# Allegro board BeagleBoard-X15_RevA2.brd (continued)
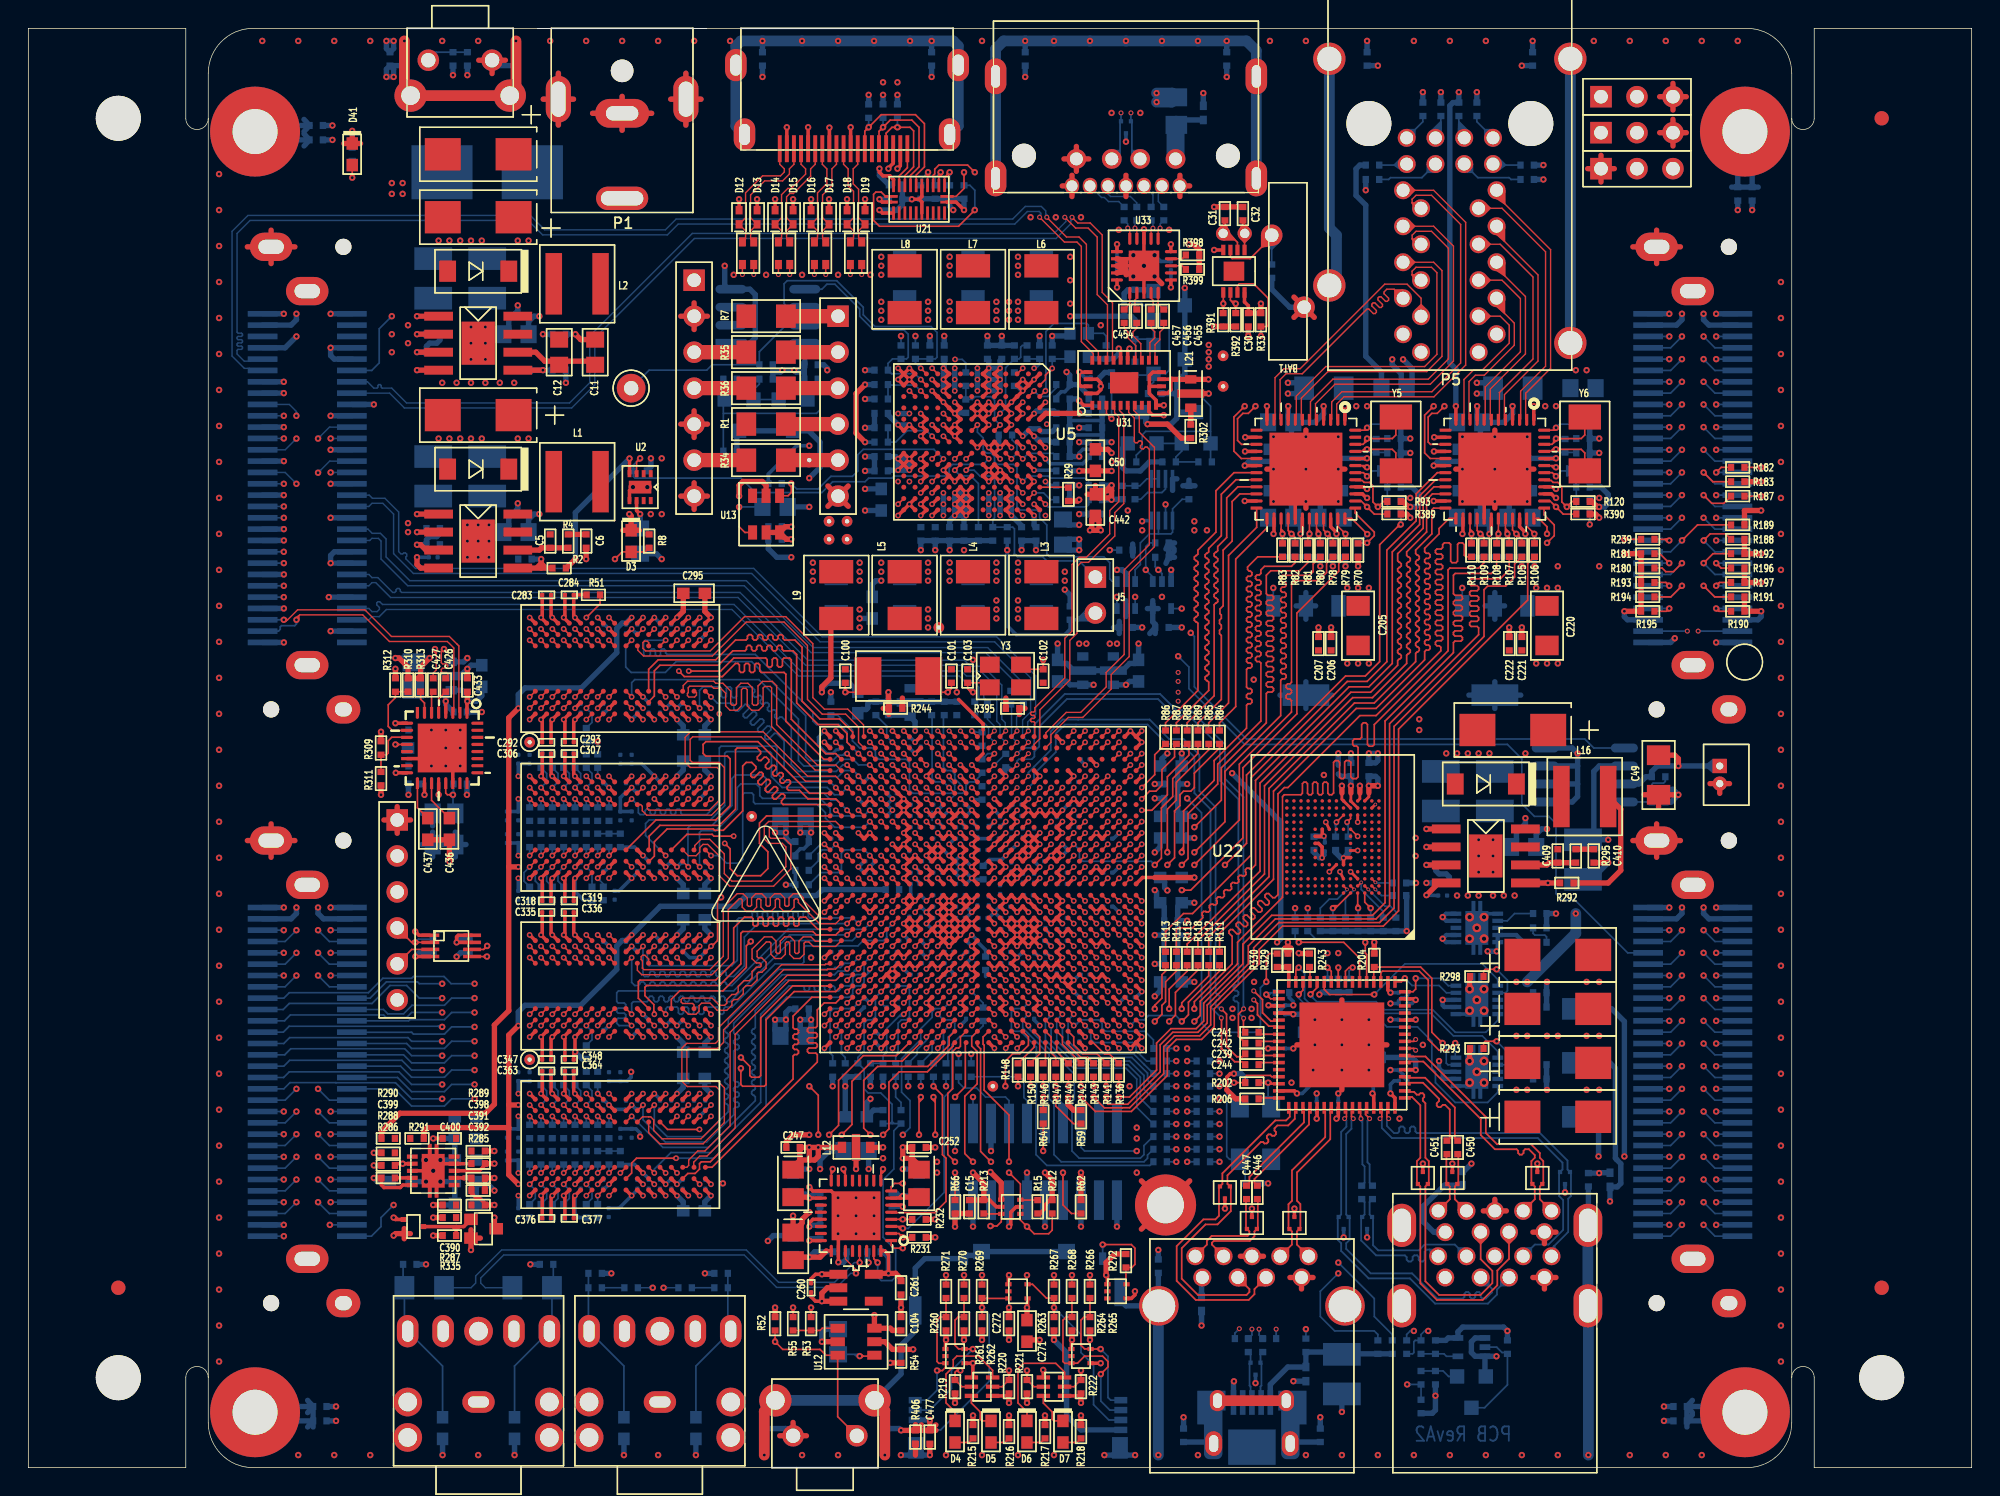
[diagram p0: board, top side]
## Placement (name value [footprint] x y rotation side) (continued)
C240  18pF,50V  [402]  86.36 20.07 0 bottom
C241  0.1uf,16V  [402]  86.36 30.73 0 top
C242  0.1uf,16V  [402]  86.36 29.97 0 top
C243  0.1uF/201  [201]  69.79 46.81 0 bottom
C244  0.1uf,16V  [402]  86.36 28.45 0 top
C245  .001uf,50V  [402]  80.65 48.26 0 bottom
C246  2.2uF,6.3V  [402]  88.52 33.53 0 bottom
C247  0.1uf,16V  [402]  53.98 22.61 180 top
C248  0.1uf,16V  [402]  57.28 15.24 0 bottom
C249  10uF,6.3V  [603]  53.98 15.62 90 bottom
C250  47uF,6.3V,1206  [1206]  35.56 12.7 0 bottom
C251  47uF,6.3V,1206  [1206]  27.94 12.7 180 bottom
C252  0.1uf,16V  [402]  62.87 22.61 0 top
C253  0.1uf,16V  [402]  60.96 18.92 270 bottom
C254  10uF,6.3V  [603]  62.87 20.07 90 bottom
C255  2.2uF,6.3V  [402]  48.89 12.7 0 bottom
C256  2.2uF,6.3V  [402]  40.01 12.7 180 bottom
C257  10uF,6.3V  [603]  53.98 20.07 90 bottom
C258  0.1uf,16V  [402]  55.88 18.92 270 bottom
C259  0.1uf,16V  [402]  55.88 16.64 90 bottom
C260  1uF,4V,0201  [201]  55.25 12.7 270 top
C261  4.7uF,6.3V  [402]  61.59 12.7 270 top
C262  0.1uf,16V  [402]  59.69 15.24 180 bottom
C263  0.1uf,16V  [402]  31.12 36.83 90 bottom
C264  0.1uf,16V  [402]  61.21 90.55 0 bottom
C265  4.7uF,6.3V  [402]  61.21 89.53 0 bottom
C266  0.22uF/201  [201]  91.5 43.81 270 bottom
C267  2.2uF,6.3V  [402]  90.74 44.07 90 bottom
C268  4.7uF,6.3V  [402]  93.34 49.28 90 bottom
C269  0.22uF/201  [201]  92.46 49.28 90 bottom
C270  0.1uf,16V  [402]  96.77 41.27 180 bottom
C271  10uF,6.3V  [603]  70.48 9.65 90 top
C272  0.1uf,16V  [402]  69.22 10.16 270 top
C273  0.1uF/201  [201]  64.19 45.21 180 bottom
C274  0.1uf,16V  [402]  60.99 40.81 180 bottom
C275  0.22uF/201  [201]  38.98 53.61 270 bottom
C276  0.22uF/201  [201]  38.98 42.41 270 bottom
C277  0.22uF/201  [201]  42.18 59.21 270 bottom
C278  0.22uF/201  [201]  42.18 48.01 270 bottom
C279  0.22uF/201  [201]  38.98 20 270 bottom
C280  0.22uF/201  [201]  42.18 25.6 270 bottom
C281  0.22uF/201  [201]  42.18 36.8 270 bottom
C282  0.22uF/201  [201]  38.98 31.2 270 bottom
C283  0.22uF/201  [201]  36.58 61.61 0 top
C284  0.22uF/201  [201]  38.18 61.61 0 top
C285  0.22uF/201  [201]  40.58 59.21 90 bottom
C286  0.22uF/201  [201]  42.98 59.21 90 bottom
C287  0.22uF/201  [201]  44.58 59.21 270 bottom
C288  0.22uF/201  [201]  45.38 59.21 90 bottom
C289  0.22uF/201  [201]  46.18 59.21 270 bottom
C290  0.22uF/201  [201]  46.98 59.21 270 bottom
C291  0.22uF/201  [201]  47.78 59.21 270 bottom
C292  0.22uF/201  [201]  36.58 51.21 0 top
C293  0.22uF/201  [201]  38.18 51.21 0 top
C294  0.22uF/201  [201]  40.58 53.61 270 bottom
C295  10uF,6.3V  [603]  46.99 61.72 180 top
C296  0.22uF/201  [201]  34.58 27.6 270 bottom
C297  0.22uF/201  [201]  35.38 27.6 270 bottom
C298  0.22uF/201  [201]  40.98 27.6 270 bottom
C299  0.22uF/201  [201]  41.78 27.6 270 bottom
C300  0.22uF/201  [201]  42.98 53.61 90 bottom
C301  0.22uF/201  [201]  43.78 53.61 270 bottom
C302  0.22uF/201  [201]  44.58 53.61 90 bottom
C303  0.22uF/201  [201]  45.38 53.61 90 bottom
C304  0.22uF/201  [201]  46.18 53.61 90 bottom
C305  0.22uF/201  [201]  47.78 53.61 270 bottom
C306  0.22uF/201  [201]  36.58 50.41 0 top
C307  0.22uF/201  [201]  38.18 50.41 0 top
C308  0.22uF/201  [201]  40.58 48.01 90 bottom
C309  0.22uF/201  [201]  42.98 48.01 90 bottom
C310  0.22uF/201  [201]  44.58 48.01 270 bottom
C311  0.22uF/201  [201]  45.38 48.01 90 bottom
C312  10uF,6.3V  [603]  46.98 51.73 0 bottom
C313  0.22uF/201  [201]  33.78 23.6 90 bottom
C314  0.22uF/201  [201]  34.58 23.6 90 bottom
C315  0.22uF/201  [201]  46.18 48.01 270 bottom
C316  0.22uF/201  [201]  46.98 48.01 90 bottom
C317  0.22uF/201  [201]  47.78 48.01 90 bottom
C318  0.22uF/201  [201]  36.58 40.01 180 top
C319  0.22uF/201  [201]  38.18 40.01 0 top
C320  0.22uF/201  [201]  40.58 42.41 270 bottom
C321  0.22uF/201  [201]  42.98 42.41 90 bottom
C322  0.22uF/201  [201]  43.78 42.41 270 bottom
C323  0.22uF/201  [201]  44.58 42.41 90 bottom
C324  0.22uF/201  [201]  45.38 42.41 90 bottom
C325  0.22uF/201  [201]  46.18 42.41 90 bottom
C326  0.22uF/201  [201]  47.78 42.41 270 bottom
C327  10uF,6.3V  [603]  46.98 49.88 180 bottom
C328  0.22uF/201  [201]  41.78 23.6 90 bottom
C329  0.22uF/201  [201]  42.58 23.6 90 bottom
C330  0.22uF/201  [201]  33.78 22 270 bottom
C331  0.22uF/201  [201]  34.58 22 270 bottom
C332  0.22uF/201  [201]  34.58 18 90 bottom
C333  0.22uF/201  [201]  40.96 18 90 bottom
C334  0.1uf,16V  [402]  41.78 21.88 90 bottom
C335  0.22uF/201  [201]  36.58 39.2 0 top
C336  0.22uF/201  [201]  38.18 39.2 0 top
C337  0.22uF/201  [201]  40.58 36.8 90 bottom
C338  0.22uF/201  [201]  42.98 36.8 90 bottom
C339  0.22uF/201  [201]  44.58 36.8 270 bottom
C340  0.22uF/201  [201]  45.38 36.8 90 bottom
C341  10uF,6.3V  [603]  46.98 38.68 180 bottom
C342  0.22uF/201  [201]  34.58 50.01 270 bottom
C343  0.22uF/201  [201]  35.38 50.01 270 bottom
C344  0.22uF/201  [201]  46.18 36.8 270 bottom
C345  0.22uF/201  [201]  46.98 36.8 90 bottom
C346  0.22uF/201  [201]  47.78 36.8 270 bottom
C347  0.22uF/201  [201]  36.58 28.8 0 top
C348  0.22uF/201  [201]  38.18 28.8 0 top
C349  0.22uF/201  [201]  40.58 31.2 270 bottom
C350  10uF,6.3V  [603]  46.98 27.48 180 bottom
C351  0.22uF/201  [201]  41.78 50.01 270 bottom
C352  0.22uF/201  [201]  42.58 50.01 270 bottom
C353  0.22uF/201  [201]  33.78 46.01 90 bottom
C354  0.22uF/201  [201]  42.98 31.2 90 bottom
C355  0.22uF/201  [201]  43.78 31.2 270 bottom
C356  0.22uF/201  [201]  44.58 31.2 90 bottom
C357  0.22uF/201  [201]  45.38 31.2 90 bottom
C358  0.22uF/201  [201]  34.58 46.01 90 bottom
C359  0.22uF/201  [201]  46.18 31.2 90 bottom
C360  0.22uF/201  [201]  47.78 31.2 270 bottom
C361  10uF,6.3V  [603]  46.98 18.13 0 bottom
C362  0.22uF/201  [201]  41.78 46.01 90 bottom
C363  0.22uF/201  [201]  36.58 28 0 top
C364  0.22uF/201  [201]  38.18 28 0 top
C365  0.22uF/201  [201]  40.58 25.6 90 bottom
C366  0.22uF/201  [201]  42.98 25.6 90 bottom
C367  0.22uF/201  [201]  44.58 25.6 270 bottom
C368  0.22uF/201  [201]  45.38 25.6 90 bottom
C369  10uF,6.3V  [603]  46.98 40.53 0 bottom
C370  0.22uF/201  [201]  42.58 46.01 90 bottom
C371  0.22uF/201  [201]  33.78 44.41 270 bottom
C372  0.22uF/201  [201]  34.58 44.41 270 bottom
C373  0.22uF/201  [201]  46.18 25.6 270 bottom
C374  0.22uF/201  [201]  46.98 25.6 90 bottom
C375  0.22uF/201  [201]  47.78 25.6 270 bottom
C376  0.22uF/201  [201]  36.58 17.6 0 top
C377  0.22uF/201  [201]  38.18 17.6 0 top
C378  0.22uF/201  [201]  40.58 20 270 bottom
C379  0.22uF/201  [201]  34.58 40.41 90 bottom
C380  0.22uF/201  [201]  41.38 40.41 90 bottom
C381  0.22uF/201  [201]  42.98 20 90 bottom
C382  0.22uF/201  [201]  43.78 20 270 bottom
C383  0.22uF/201  [201]  44.58 20 90 bottom
C384  0.22uF/201  [201]  45.38 20 90 bottom
C385  0.22uF/201  [201]  46.18 20 90 bottom
C386  0.22uF/201  [201]  47.78 20 270 bottom
C387  10uF,6.3V  [603]  46.98 29.33 0 bottom
C388  0.1uf,16V  [402]  41.78 44.28 90 bottom
C389  10uF,6.3V  [603]  26.29 20.19 0 bottom
C390  .001uf,50V  [402]  29.72 18.54 180 top
C391  .001uf,50V  [402]  31.75 20.45 0 top
C392  0.1uf,16V  [402]  31.75 19.56 0 top
C393  10uF,6.3V  [603]  30.86 20.19 180 bottom
C394  10uF,6.3V  [603]  30.86 18.67 180 bottom
C395  10uF,6.3V  [603]  30.86 24.77 180 bottom
C396  10uF,6.3V  [603]  30.86 23.24 180 bottom
C397  10uF,6.3V  [603]  30.86 21.72 180 bottom
C398  0.1uf,16V  [402]  31.75 21.46 180 top
C399  0.1uf,16V  [402]  25.4 22.23 180 top
C400  10pF,NPO  [402]  29.72 23.24 180 top
C401  0.1uf,25V,0805  [805]  105.54 43.81 180 bottom
C402  4.7uF,50V.LESR  [1210]  99.7 47.75 90 bottom
C403  100uF,10V  [6032]  104.78 52.07 180 top
C404  100uF,10V  [6032]  107.95 24.77 0 top
C405  0.1uf,16V  [402]  106.68 27.43 0 bottom
C406  100uF,10V  [6032]  107.95 28.57 0 top
C407  0.1uf,16V  [402]  106.68 28.45 0 bottom
C408  8.2nF,10V,0201  [201]  99.82 40.39 0 bottom
C409  22pF  [402]  107.95 43.18 270 top
C410  .001uF,50V  [402]  110.49 43.18 270 top
C411  100uF,10V  [6032]  107.95 32.38 0 top
C412  0.1uf,16V  [402]  106.68 32.51 0 bottom
C413  100uF,10V  [6032]  107.95 36.2 0 top
C414  0.1uf,16V  [402]  106.68 33.53 0 bottom
C415  0.1uf,16V  [402]  70.36 99.44 90 bottom
C416  0.01uf,16V  [402]  77.34 88.52 90 bottom
C417  0.01uf,16V  [402]  78.23 88.52 270 bottom
C418  0.01uf,16V  [402]  79.25 88.52 270 bottom
C419  0.1uf,16V  [402]  79.76 14.22 90 bottom
C420  0.01uf,16V  [402]  80.14 88.52 270 bottom
C421  0.1uF/201  [201]  75.31 76.96 180 bottom
C422  0.1uf,16V  [402]  67.69 53.59 90 bottom
C423  0.1uf,16V  [402]  66.8 53.59 90 bottom
C424  0.1uf,16V  [402]  70.23 54.36 90 bottom
C425  0.1uf,16V  [402]  69.34 54.36 90 bottom
C426  0.1uf,16V  [402]  29.46 55.24 90 top
C427  0.1uf,16V  [402]  28.58 55.24 90 top
C428  0.1uf,16V  [402]  27.3 52.07 0 bottom
C429  .001uf,50V  [402]  27.3 49.53 0 bottom
C430  0.1uf,16V  [402]  30.48 53.34 0 bottom
C431  10uF,6.3V  [603]  32 55.88 90 bottom
C432  10uF,6.3V  [603]  27.56 50.8 0 bottom
C433  0.1uf,16V  [402]  30.99 55.24 90 top
C434  0.1uf,16V  [402]  27.3 48.26 180 bottom
C435  CAP,DNI,0402  [402]  30.48 48.26 0 bottom
C436  10uF,6.3V  [603]  29.72 45.09 270 top
C437  10uF,6.3V  [603]  28.19 45.09 270 top
C438  4.7uF,50V.LESR  [1210]  32.39 83.95 90 bottom
C439  4.7uF,50V.LESR  [1210]  32.39 69.98 90 bottom
C440  4.7uF,50V.LESR  [1210]  103.5 47.75 90 bottom
C441  0.1uf,16V  [402]  51.82 99.44 90 bottom
C442  10uF,6.3V  [603]  75.31 67.94 90 top
C443  470pF,6.3V  [402]  115.06 46.99 0 bottom
C445  4.7uF,50V.LESR  [1210]  109.73 42.93 270 bottom
C446  0.1uf,16V  [402]  86.74 19.43 270 top
C447  0.1uf,16V  [402]  85.98 19.43 270 top
C448  0.1uf,16V  [402]  94.87 19.43 270 bottom
C449  0.1uf,16V  [402]  94.11 19.43 270 bottom
C450  0.1uf,16V  [402]  100.89 22.61 270 top
C451  0.1uf,16V  [402]  100.12 22.61 270 top
C452  12pF/0402/50V  [402]  76.07 78.74 270 bottom
C453  12pF/0402/50V  [402]  72.26 78.74 90 bottom
C454  0.01uf,16V  [402]  77.34 81.28 270 top
C455  0.01uf,16V  [402]  80.14 81.28 90 top
C456  0.01uf,16V  [402]  79.25 81.28 90 top
C457  0.01uf,16V  [402]  78.23 81.28 90 top
C470  0.1uF/201  [201]  80.65 84.84 90 bottom
C471  1uF,4V,0201  [201]  76.84 84.84 270 bottom
C472  0.1uf,16V  [402]  20.57 4.32 180 bottom
C473  0.1uf,16V  [402]  116.59 4.32 0 bottom
C474  0.1uf,16V  [402]  20.32 94.74 180 bottom
C475  0.1uf,16V  [402]  120.65 89.92 90 bottom
C476  0.33uf,16V  [402]  78.11 68.83 90 bottom
C477  0.1uf,16V  [402]  63.63 2.16 270 top
C478  0.1uf,16V  [402]  29.97 99.44 270 bottom
C479  1uF,50V  [1210]  92.71 6.6 270 bottom
C481  10uF,6.3V  [603]  94.61 28.96 180 bottom
C482  0.1uF/201  [201]  88.39 32.64 0 bottom
C483  0.1uF/201  [201]  88.39 29.59 0 bottom
C484  0.1uF/201  [201]  90.93 25.53 90 bottom
C485  0.1uF/201  [201]  92.46 25.53 90 bottom
C486  0.1uF/201  [201]  94.61 27.3 180 bottom
C487  0.1uF/201  [201]  97.03 28.07 180 bottom
C488  0.1uF/201  [201]  97.03 31.62 180 bottom
C489  0.1uF/201  [201]  97.03 32.77 180 bottom
C490  0.1uF/201  [201]  88.39 32 180 bottom
C491  0.1uF/201  [201]  90.68 27.3 0 bottom
C492  0.1uF/201  [201]  97.03 33.53 0 bottom
C493  0.1uF/201  [201]  97.03 27.3 0 bottom
C494  10uF,6.3V  [603]  90.81 30.73 0 bottom
C495  1uF,30V,0402  [402]  98.3 4.32 270 bottom
C496  2.2uF,6.3V  [402]  69.6 76.83 270 bottom
C497  10uF,6.3V  [603]  72.64 56.26 90 bottom
C498  0.1uF/201  [201]  64.19 46.01 180 bottom
C499  0.1uF/201  [201]  65.79 46.01 0 bottom
C500  2.2uF,6.3V  [402]  64.01 65.91 90 bottom
D1  SK54AFL-TP  [DO221AC]  31.75 70.48 180 top
D2  SK54AFL-TP  [DO221AC]  31.75 84.45 180 top
D3  LTST-C191KFKT  [LED_603]  42.55 65.41 270 top
D4  LTST-C191KFKT  [LED_603]  65.41 2.54 270 top
D5  LTST-C191KFKT  [LED_603]  67.94 2.54 270 top
D6  LTST-C191KFKT  [LED_603]  70.48 2.54 270 top
D7  LTST-C191KFKT  [LED_603]  73.03 2.54 270 top
D8  PESD0603-240  [603]  34.32 2.79 90 bottom
D9  PESD0603-240  [603]  29.24 2.79 90 bottom
D10  PESD0603-240  [603]  47.12 2.79 90 bottom
D11  PESD0603-240  [603]  42.04 2.79 90 bottom
D12  TPD1E05U06  [2XSON]  50.16 88.27 90 top
D13  TPD1E05U06  [2XSON]  51.44 88.27 90 top
D14  TPD1E05U06  [2XSON]  52.7 88.27 90 top
D15  TPD1E05U06  [2XSON]  53.98 88.27 90 top
D16  TPD1E05U06  [2XSON]  55.25 88.27 90 top
D17  TPD1E05U06  [2XSON]  56.52 88.27 90 top
D18  TPD1E05U06  [2XSON]  57.79 88.27 90 top
D19  TPD1E05U06  [2XSON]  59.05 88.27 90 top
D20  TPD2E001DRL  [U_5_DRL]  65.41 7.87 270 top
D21  TPD2E001DRL  [U_5_DRL]  69.85 12.45 270 top
D22  TPD2E001DRL  [U_5_DRL]  74.3 7.87 270 top
D23  TPD2E001DRL  [U_5_DRL]  76.84 12.45 270 top
D24  SK54AFL-TP  [DO221AC]  102.87 48.26 180 top
D25  TPD2EUSB30ADR  [SOT3_DRT_1P0XP8MM]  89.36 17.27 0 top
D26  TPD2EUSB30ADR  [SOT3_DRT_1P0XP8MM]  86.36 17.27 0 top
D27  TPD2EUSB30ADR  [SOT3_DRT_1P0XP8MM]  84.45 19.43 180 top
D28  TPD2EUSB30ADR  [SOT3_DRT_1P0XP8MM]  108.46 20.45 0 bottom
D29  TPD2EUSB30ADR  [SOT3_DRT_1P0XP8MM]  94.49 17.27 0 bottom
D30  TPD2EUSB30ADR  [SOT3_DRT_1P0XP8MM]  92.84 17.27 0 bottom
D31  TPD2EUSB30ADR  [SOT3_DRT_1P0XP8MM]  100.51 20.45 0 top
D32  TPD2EUSB30ADR  [SOT3_DRT_1P0XP8MM]  77.47 94.61 0 bottom
D33  TPD2EUSB30ADR  [SOT3_DRT_1P0XP8MM]  98.42 20.45 0 top
D34  TPD1E10B06  [2XSON]  111.63 20.32 90 bottom
D35  TPD1E10B06  [2XSON]  82.8 11.56 270 bottom
D36  TPD1E10B06  [2XSON]  101.22 20.45 90 bottom
D37  TPD1E10B06  [2XSON]  82.93 95.63 90 bottom
D38  TPD2EUSB30ADR  [SOT3_DRT_1P0XP8MM]  106.5 20.45 0 top
D40  TPD2EUSB30ADR  [SOT3_DRT_1P0XP8MM]  86.61 6.99 0 bottom
D41  LTST-C191KFKT  [LED_603]  22.86 92.71 270 top
D42  TPD1E10B06  [2XSON]  90.17 6.6 270 bottom
F1  5A_SlowBlow  [FU250_200X400SMD]  32.39 91.44 180 bottom
FB1  150OHM800mA  [805]  91.95 67.06 180 bottom
FB2  0,1%,0805  [805]  88.39 73.79 0 bottom
FB3  150OHM800mA  [805]  96.39 76.2 180 bottom
FB4  150OHM800mA  [805]  88.39 67.06 0 bottom
FB5  150OHM800mA  [805]  105.28 67.06 180 bottom
FB6  0,1%,0805  [805]  101.73 73.79 0 bottom
FB7  150OHM800mA  [805]  109.73 76.2 180 bottom
FB8  150OHM800mA  [805]  101.73 67.06 0 bottom
FB9  150OHM800mA  [805]  58.42 22.35 180 bottom
FL1  DLW21SN900HQ2  [CHOKE4_0805-2]  50.8 85.72 90 top
FL2  DLW21SN900HQ2  [CHOKE4_0805-2]  53.34 85.72 90 top
FL3  DLW21SN900HQ2  [CHOKE4_0805-2]  55.88 85.72 90 top
FL4  DLW21SN900HQ2  [CHOKE4_0805-2]  58.42 85.72 90 top
J1  2POS 1.25MM  [CON2_49LS]  119.38 49.53 0 top
J3  HDR_1x3  [SIP3]  111 96.77 90 top
J4  HDR_1x3  [SIP3]  111 94.23 90 top
J5  HDR_1x1_M_.1  [SIP2]  75.31 62.87 0 top
J6  HDR_1x3  [SIP3]  111 91.69 90 top
L1  4.7uH  [IND130_208X216]  38.73 69.6 0 top
L2  3.3uH,7A  [IND130_208X216]  38.73 83.57 0 top
L3  1.0uH,4.2A  [IND130_160X175]  71.5 61.59 270 top
L4  1.0uH,4.2A  [IND130_160X175]  66.68 61.59 270 top
L5  1.0uH,4.2A  [IND130_160X175]  61.85 61.59 270 top
L6  1.0uH,4.2A  [IND130_160X175]  71.5 83.19 90 top
L7  1.0uH,4.2A  [IND130_160X175]  66.68 83.19 90 top
L8  1.0uH,4.2A  [IND130_160X175]  61.85 83.19 90 top
L9  1.0uH,4.2A  [IND130_160X175]  57.02 61.59 270 top
L10  FLT_HIFREQ_.47UF  [FLT3SMD_0805-2]  62.24 54.01 270 bottom
L11  FLT_HIFREQ_.47UF  [FLT3SMD_0805-2]  76.58 56.26 90 bottom
L12  FLT_HIFREQ_.47UF  [FLT3SMD_0805-2]  58.42 22.61 180 top
L13  BLM21PG221SN1D  [IND_0805]  53.98 15.62 270 top
L14  BLM21PG221SN1D  [IND_0805]  62.87 20.07 270 top
L15  BLM21PG221SN1D  [IND_0805]  53.98 20.07 270 top
L16  4.7uH  [IND130_208X216]  109.86 47.37 0 top
L17  BLM21PG221SN1D  [IND_0805]  109.86 28.57 0 bottom
L18  BLM21PG221SN1D  [IND_0805]  109.86 24.77 0 bottom
L19  BLM21PG221SN1D  [IND_0805]  109.86 32.38 0 bottom
L20  BLM21PG221SN1D  [IND_0805]  81.03 95.76 270 bottom
L21  FLT_HIFREQ_.47UF  [FLT3SMD_0805-2]  82.04 75.82 270 top
L22  FLT_HIFREQ_.47UF  [FLT3SMD_0805-2]  29.84 55.88 270 bottom
L23  BLM21PG221SN1D  [IND_0805]  27.18 55.88 270 bottom
L24  FLT_HIFREQ_.47UF  [FLT3SMD_0805-2]  74.42 56.26 90 bottom
MH1  MOUNT_HOLE  [MTGH250C125D_PL]  16 3.91 0 top
MH2  MOUNT_HOLE  [MTGH250C125D_PL]  121.16 3.91 0 top
MH3  MOUNT_HOLE  [MTGH250C125D_PL]  16 94.31 0 top
MH4  MOUNT_HOLE  [MTGH250C125D_PL]  121.16 94.31 0 top
MH5  MOUNT_HOLE  [MTGH200C102D_PL]  80.26 18.54 0 top
NOREF  -  []  6.35 6.35 0 top
NOREF#2  -  [unnamed#2]  6.35 6.35 0 top
NOREF#3  -  []  73.66 -80.01 0 top
NOREF#4  -  []  6.35 6.35 0 top
NOREF#5  -  []  16 94.31 0 top
NOREF#6  -  []  137.16 0 0 top
NOREF#7  -  []  126.05 0 0 top
NOREF#8  -  []  11.11 0 0 top
NOREF#9  -  []  -349.88 -266.06 0 top
NOREF#10  -  [unnamed#3]  130.81 12.7 0 top
NOREF#11  -  [unnamed#2]  6.35 95.25 0 top
NOREF#12  -  [unnamed#2]  130.81 6.35 0 top
NOREF#13  -  []  13.89 100.9 0 top
NOREF#14  -  []  16 3.91 0 top
NOREF#15  -  []  0 0 0 top
NOREF#16  -  []  130.81 6.35 0 top
NOREF#17  -  [unnamed#3]  130.81 95.25 0 top
NOREF#18  -  []  124.46 3.17 0 top
NOREF#19  -  []  6.35 95.25 0 top
NOREF#20  -  []  16 3.91 0 top
NOREF#21  -  []  -349.76 -265.99 0 top
NOREF#22  -  []  0 101.6 0 top
NOREF#23  -  []  12.7 3.17 0 top
NOREF#24  -  [unnamed#3]  6.35 12.7 0 top
NOREF#25  -  []  0 0 0 top
NOREF#26  -  []  121.16 3.91 0 top
NOREF#27  -  []  124.46 89.97 0 top
NOREF#28  -  [unnamed#3]  130.81 12.7 180 bottom
NOREF#29  -  [unnamed#3]  130.81 95.25 180 bottom
NOREF#30  -  [unnamed#3]  6.35 12.7 180 bottom
P1  CUI-PJ-063BH  [JACK_PJ-063BH]  41.91 98.6 270 top
P2  HDR_7x1_M_.1  [SIP7]  46.99 83.82 0 top
P3  HDR_6x1_M_.1  [SIP6]  57.15 81.28 0 top
P4  20 Pin JTAG  [HEADER10X2_SMD]  71.12 21.59 0 bottom
P5  LPJG17561BGNL Dual RJ45 10/100/1000  [RJ45_2X1_XFRM_LED]  100.33 78.74 180 top
P6  eSATA  [ESATA-USB_COMBO_RA]  77.47 90.48 90 top
P7  Micro USB-B  [USB5_FCI-10103594]  86.36 4.6 90 bottom
P8  SJ1-3524NG  [JACK5-472X551-SJ1-3524NG]  31.78 4.64 90 top
P9  SJ1-3524NG  [JACK5-472X551-SJ1-3524NG]  44.58 4.64 90 top
P10  HEADER 6  [SIP6]  26.04 45.72 0 top
P11  HDMI-RA-19-TYPEA  [HDMI-SMT-W-FLANGE]  57.79 93.1 180 top
P12  SCHA5B0200  [SD-MICRO-SCHA5B0300]  69.85 4.76 180 bottom
P13  CONN_USB3.0_A  [USB9RA_2SHIELDED]  82.86 13.43 0 top
P15  GSB311231HR  [USB18RA_4SHIELDED]  100 13.43 0 top
P16  CONN_30x2_0.8  [HDR2X30SMD_FX18-60P-0P8SV]  117.47 69.85 270 bottom
P17  CONN_30x2_0.8  [HDR2X30SMD_FX18-60P-0P8SV]  19.69 27.94 270 bottom
P18  CONN_30x2_0.8  [HDR2X30SMD_FX18-60P-0P8SV]  117.47 27.94 270 bottom
P19  CONN_30x2_0.8  [HDR2X30SMD_FX18-60P-0P8SV]  19.69 69.85 270 bottom
Q1  FDT434P  [SOT223-1]  90.17 56.52 0 bottom
Q2  FDT434P  [SOT223-1]  103.5 56.52 0 bottom
Q3  DMC56404  [SMINI6-F3-B]  67.31 5.71 90 top
Q4  DMC56404  [SMINI6-F3-B]  72.39 5.71 90 top
Q5  NTA4153N  [SC75]  27.18 17.02 0 top
Q6  BSS138  [SC70]  31.24 17.53 0 top
Q7  BSS138/SOT  [SOT-23]  101.85 5.33 0 bottom
Q8  TRN_2N2907  [SOT23-3]  53.98 74.3 0 bottom
Q9  TRN_2N2907  [SOT23-3]  78.61 73.41 180 bottom
Q10  TRN_2N2907  [SOT23-3]  80.52 82.04 90 bottom
R1  .01,01206  [1206]  52.07 73.66 0 top
R2  10.2K,1%  [402]  37.47 63.5 180 top
R3  169K  [402]  28.58 66.29 0 bottom
R4  45.3K  [402]  38.1 65.41 90 top
R5  1.91K  [402]  35.05 64.14 0 bottom
R6  20.5K,1%  [402]  28.58 65.15 0 bottom
R7  .01,1206  [1206]  52.07 81.28 0 top
R8  1K,5%  [402]  43.81 65.41 270 top
R9  169K  [402]  28.58 80.01 0 bottom
R10  10K,1%  [402]  43.18 70.36 0 bottom
R11  20.5K,1%  [402]  28.58 78.74 0 bottom
R12  51.1K  [402]  37.47 80.01 180 bottom
R13  10.2K,1%  [402]  37.47 77.47 180 bottom
R14  3.24K,1%  [402]  34.92 77.47 0 bottom
R15  4.7K  [402]  71.25 18.41 90 top
R16  2.2K,1%  [402]  60.2 77.47 0 bottom
R17  2.2K,1%  [402]  63.63 78.74 270 bottom
R18  DNI,0402  [402]  61.59 78.74 90 bottom
R19  DNI,0402  [402]  62.61 78.74 90 bottom
R20  10K,DNI  [402]  60.2 76.45 180 bottom
R21  10K,1%  [402]  60.2 75.44 180 bottom
R22  10K,1%  [402]  60.2 73.41 180 bottom
R23  10K,1%,DNI  [402]  69.09 65.91 90 bottom
R24  10K,1%  [402]  75.31 68.33 0 bottom
R26  10K,1%  [402]  67.06 65.91 270 bottom
R27  10K,1%  [402]  75.31 69.34 0 bottom
R28  10K,1%  [402]  68.07 65.91 90 bottom
R29  0,1%  [402]  73.41 68.71 90 top
R30  0,1%  [402]  73.03 76.45 180 bottom
R31  0,1%  [402]  90.17 8.64 90 bottom
R32  0,1%  [402]  75.31 67.31 0 bottom
R33  4.7K  [402]  87 81.03 270 top
R34  .01,1206  [1206]  52.07 71.12 0 top
R35  .01,1206  [1206]  52.07 78.74 0 top
R36  .02,1206  [1206]  52.07 76.2 0 top
R37  10K,1%  [402]  52.07 77.85 0 bottom
R38  DNI,0402  [402]  60.33 24.77 90 bottom
R39  0,1%  [402]  61.21 28.07 270 bottom
R40  DNI,0402  [402]  61.59 24.77 90 bottom
R41  10K,1%  [402]  77.47 64.77 180 bottom
R42  10K,1%  [402]  80.01 65.28 180 bottom
R43  2.2K,1%  [402]  58.55 28.07 270 bottom
R44  10K,1%  [402]  80.01 64.26 180 bottom
R45  DNI,0402  [402]  71.37 78.74 270 bottom
R46  10K,1%  [402]  60.33 28.07 90 bottom
R47  DNI,0402  [402]  59.44 28.07 270 bottom
R48  100K,1%  [402]  56.64 53.59 270 bottom
R49  10K,1%,DNI  [402]  64.64 53.59 90 bottom
R50  10K,1%  [402]  63.75 53.59 90 bottom
R51  10K,1%  [402]  39.88 61.61 180 top
R52  10K,1%  [402]  52.7 10.16 270 top
R53  0,1%  [402]  55.25 10.16 90 top
R54  DNI,0402  [402]  61.59 7.87 90 top
R55  0,1%,DNI  [402]  53.98 10.16 270 top
R56  10K,1%  [402]  52.7 69.47 0 bottom
R57  0,1%  [402]  67.31 49.53 90 bottom
R58  10K,1%  [402]  52.7 66.42 180 bottom
R59  4.7K  [402]  74.3 24.77 270 top
R61  22,5%  [402]  65.66 28.07 270 bottom
R62  4.7K  [402]  74.3 18.41 270 top
R63  22,5%  [402]  66.55 28.07 270 bottom
R64  22,5%  [402]  71.63 24.77 270 top
R66  4.7K  [402]  65.41 18.41 270 top
R68  220,5%  [402]  105.79 91.95 0 bottom
R69  220,5%  [402]  94.87 90.93 180 bottom
R70  1K,5%  [402]  93.85 64.77 90 top
R71  1K,5%  [402]  93.85 64.77 90 bottom
R72  1K,5%  [402]  92.96 64.77 90 bottom
R73  1K,5%  [402]  92.08 64.77 90 bottom
R74  10K,1%  [402]  91.19 64.77 90 bottom
R75  10K,1%  [402]  90.3 64.77 90 bottom
R76  10K,1%  [402]  89.41 64.77 90 bottom
R77  10K,1%  [402]  88.52 64.77 90 bottom
R78  22,5%  [402]  92.08 64.77 90 top
R79  22,5%  [402]  92.96 64.77 90 top
R80  22,5%  [402]  91.19 64.77 90 top
R81  22,5%  [402]  90.3 64.77 90 top
R82  22,5%  [402]  89.41 64.77 90 top
R83  22,5%  [402]  88.52 64.77 90 top
R84  0,1%  [402]  84.07 51.56 90 top
R85  0,1%  [402]  83.31 51.56 90 top
R86  0,1%  [402]  80.26 51.56 90 top
R87  0,1%  [402]  81.03 51.56 90 top
R88  0,1%  [402]  81.79 51.56 90 top
R89  0,1%  [402]  82.55 51.56 90 top
R90  1K,5%  [402]  94.87 91.95 180 bottom
R91  1K,5%  [402]  105.79 90.93 0 bottom
R92  12.1K,1%  [402]  96.39 73.66 180 bottom
R93  10K,1%  [402]  96.39 68.2 0 top
R94  DNI,0402  [402]  95.12 72.14 90 bottom
R95  100K,1%,DNI  [402]  96.39 69.22 180 bottom
R96  0,1%  [402]  96.39 68.33 180 bottom
R97  220,5%  [402]  102.23 95.89 90 bottom
R98  220,5%  [402]  99.7 95.89 90 bottom
R99  1K,5%  [402]  105.41 64.77 90 bottom
R100  1K,5%  [402]  106.3 64.77 90 bottom
R101  100K,1%  [402]  104.52 64.77 90 bottom
R102  100K,1%  [402]  103.63 64.77 90 bottom
R103  100K,1%  [402]  102.74 64.77 90 bottom
R104  100K,1%  [402]  101.85 64.77 90 bottom
R105  22,5%  [402]  105.41 64.77 90 top
R106  22,5%  [402]  106.3 64.77 90 top
R107  22,5%  [402]  104.52 64.77 90 top
R108  22,5%  [402]  103.63 64.77 90 top
R109  22,5%  [402]  102.74 64.77 90 top
R110  22,5%  [402]  101.85 64.77 90 top
R111  0,1%  [402]  84.07 35.94 90 top
R112  0,1%  [402]  83.31 35.94 90 top
R113  0,1%  [402]  80.26 35.94 90 top
R114  0,1%  [402]  81.03 35.94 90 top
R115  0,1%  [402]  81.79 35.94 90 top
R116  1K,5%  [402]  98.42 95.89 90 bottom
R117  1K,5%  [402]  100.97 95.89 90 bottom
R118  0,1%  [402]  82.55 35.94 90 top
R119  12.1K,1%  [402]  109.73 73.66 180 bottom
R120  10K,1%  [402]  109.73 68.2 0 top
R121  DNI,0402  [402]  108.46 72.14 90 bottom
R122  100K,1%,DNI  [402]  109.73 69.22 180 bottom
R123  0,1%  [402]  109.73 68.33 180 bottom
R124  22,5%  [402]  82.93 23.37 0 bottom
R125  22,5%  [402]  82.93 22.48 0 bottom
R126  22,5%  [402]  82.93 24.26 0 bottom
R127  22,5%  [402]  82.93 21.59 0 bottom
R128  22,5%  [402]  82.93 26.04 0 bottom
R129  22,5%  [402]  82.93 25.15 0 bottom
R130  22,5%  [402]  82.93 28.7 0 bottom
R131  22,5%  [402]  82.93 27.81 0 bottom
R132  22,5%  [402]  82.93 26.92 0 bottom
R133  22,5%  [402]  79.88 24.26 0 bottom
R134  22,5%  [402]  79.88 27.81 0 bottom
R135  22,5%  [402]  79.88 26.04 0 bottom
R136  22,5%  [402]  76.96 28.07 270 top
R138  22,5%  [402]  79.88 28.7 0 bottom
R139  22,5%  [402]  79.88 26.92 0 bottom
R140  22,5%  [402]  79.88 29.59 0 bottom
R141  22,5%  [402]  76.07 28.07 270 top
R142  22,5%  [402]  74.3 28.07 270 top
R143  22,5%  [402]  75.18 28.07 270 top
R144  22,5%  [402]  73.41 28.07 270 top
R145  22,5%  [402]  79.88 25.15 0 bottom
R146  22,5%  [402]  71.63 28.07 270 top
R147  22,5%  [402]  72.52 28.07 270 top
R148  22,5%  [402]  69.85 28.07 270 top
R149  22,5%  [402]  79.88 22.48 0 bottom
R150  22,5%  [402]  70.74 28.07 270 top
R152  22,5%  [402]  79.88 23.37 0 bottom
R153  22,5%  [402]  79.88 21.59 0 bottom
R180  10K,1%  [402]  114.3 63.5 180 top
R181  10K,1%  [402]  114.3 64.52 180 top
R182  10K,1%  [402]  120.65 70.61 0 top
R183  10K,1%  [402]  120.65 69.6 0 top
R187  10K,1%  [402]  120.65 68.58 0 top
R188  10K,1%  [402]  120.65 65.53 0 top
R189  10K,1%  [402]  120.65 66.55 0 top
R190  10K,1%  [402]  120.65 60.45 0 top
R191  10K,1%  [402]  120.65 61.47 0 top
R192  10K,1%  [402]  120.65 64.52 0 top
R193  10K,1%  [402]  114.3 62.48 180 top
R194  10K,1%  [402]  114.3 61.47 180 top
R195  10K,1%  [402]  114.3 60.45 180 top
R196  10K,1%  [402]  120.65 63.5 0 top
R197  10K,1%  [402]  120.65 62.48 0 top
R200  10K,1%,DNI  [402]  106.68 39.12 180 bottom
R201  1.87K,1%  [402]  106.68 37.08 0 bottom
R202  1M,1%  [402]  86.36 27.18 180 top
R203  4.99K,1%  [402]  106.68 38.1 0 bottom
R204  4.7K  [402]  95 35.81 90 top
R205  10K,1%  [402]  57.66 28.07 270 bottom
R206  8.25K,1%  [402]  86.36 26.04 0 top
R207  4.7K  [402]  93.22 34.04 90 bottom
R209  4.7K  [402]  91.69 34.04 90 bottom
R210  0,1%  [402]  86.11 8.64 270 bottom
R211  0,1%  [402]  87.12 8.64 270 bottom
R212  2.2K,1%  [402]  72.26 18.41 270 top
R213  2.2K,1%  [402]  67.44 18.41 270 top
R214  10K,1%,DNI  [402]  60.2 72.39 180 bottom
R215  4.7K  [402]  66.68 2.54 270 top
R216  4.7K  [402]  69.22 2.54 270 top
R217  4.7K  [402]  71.75 2.54 270 top
R218  4.7K  [402]  74.3 2.54 270 top
R219  100K,1%  [402]  65.41 5.71 270 top
R220  100K,1%  [402]  69.22 5.71 270 top
R221  100K,1%  [402]  70.48 5.71 270 top
R222  100K,1%  [402]  74.3 5.71 270 top
R223  22,5%  [402]  64.77 28.07 270 bottom
R224  10,5%  [402]  67.39 32 270 bottom
R225  10,5%  [402]  62.1 28.07 270 bottom
R226  20K,1%  [402]  36.58 14.35 180 bottom
R227  10,5%  [402]  62.99 28.07 270 bottom
R228  20K,1%  [402]  26.92 14.35 0 bottom
R229  10,5%  [402]  63.88 28.07 270 bottom
R230  10,5%  [402]  46.36 12.7 0 bottom
R231  20K,1%  [402]  62.87 16.26 0 top
R232  20K,1%  [402]  62.87 17.53 0 top
R233  10,5%  [402]  42.55 12.7 180 bottom
R234  20K,1%  [402]  40.01 13.72 0 bottom
R235  20K,1%  [402]  48.89 13.72 180 bottom
R236  100K,1%  [402]  28.58 36.83 270 bottom
R237  DNI,0402  [402]  59.31 95.76 270 bottom
R239  10K,1%  [402]  114.3 65.53 180 top
R240  3.24K,1%  [402]  22.86 92.71 270 bottom
R241  DNI,0402  [402]  60.33 95.76 270 bottom
R242  DNI,0402  [402]  61.34 95.76 90 bottom
R243  4.7K  [402]  90.42 35.81 270 top
R244  0,1%  [402]  61.21 53.59 180 top
R245  4.7K,DNI  [402]  64.01 90.04 90 bottom
R246  4.7K,DNI  [402]  65.02 90.04 90 bottom
R247  10K,1%  [402]  62.99 90.04 90 bottom
R248  10K,1%  [402]  66.04 90.04 90 bottom
R249  0,1%  [402]  94.61 49.28 90 bottom
R250  DNI,0402  [402]  92.27 44.07 270 bottom
R251  DNI,0402  [402]  93.15 44.07 270 bottom
R252  DNI,0402  [402]  94.74 38.35 270 bottom
R253  DNI,0402  [402]  93.85 38.35 270 bottom
R254  DNI,0402  [402]  92.08 38.35 270 bottom
R255  DNI,0402  [402]  96.77 40.39 0 bottom
R256  DNI,0402  [402]  96.52 38.35 270 bottom
R257  DNI,0402  [402]  95.63 38.35 270 bottom
R258  DNI,0402  [402]  92.96 38.35 270 bottom
R259  DNI,0402  [402]  91.19 38.35 270 bottom
R260  10K,1%  [402]  64.77 10.16 90 top
R261  10K,1%  [402]  66.04 10.16 90 top
R262  10K,1%  [402]  67.31 10.16 90 top
R263  10K,1%  [402]  72.39 10.16 90 top
R264  10K,1%  [402]  73.66 10.16 90 top
R265  10K,1%  [402]  74.93 10.16 90 top
R266  33,5%  [402]  74.93 12.45 270 top
R267  33,5%  [402]  72.39 12.45 270 top
R268  33,5%  [402]  73.66 12.45 270 top
R269  33,5%  [402]  67.31 12.45 270 top
R270  33,5%  [402]  66.04 12.45 270 top
R271  33,5%  [402]  64.77 12.45 270 top
R272  10K,1%  [402]  77.47 14.61 270 top
R273  1K,5%  [402]  54.61 43.18 0 bottom
R274  1K,5%  [402]  54.61 42.16 180 bottom
R275  240,1%  [402]  39.78 40.53 270 bottom
R276  240,1%  [402]  39.38 51.73 270 bottom
R277  240,1%  [402]  39.38 18.13 270 bottom
R278  240,1%  [402]  39.38 29.33 270 bottom
R279  49.9,1%  [402]  40.98 23.73 270 bottom
R280  49.9,1%  [402]  40.18 21.88 90 bottom
R281  49.9,1%  [402]  40.98 21.88 90 bottom
R282  49.9,1%  [402]  40.58 40.53 270 bottom
R283  49.9,1%  [402]  40.18 44.28 90 bottom
R284  49.9,1%  [402]  40.98 44.28 90 bottom
R285  10K,1%  [402]  31.75 18.54 180 top
R286  100K,1%  [402]  25.4 20.45 0 top
R287  10K,1%  [402]  29.72 17.65 0 top
R288  10K,1%  [402]  25.4 21.34 180 top
R289  10,5%  [402]  31.75 22.35 180 top
R290  0,1%  [402]  25.4 23.24 180 top
R291  0,1%  [402]  27.43 23.24 0 top
R292  10.2K,1%  [402]  108.59 41.27 180 top
R293  25.5K,1%  [402]  102.23 29.59 0 top
R294  30K  [402]  99.82 41.27 0 bottom
R295  45.3K  [402]  109.22 43.18 90 top
R296  1.91K  [402]  106.05 41.27 0 bottom
R297  20.5K,1%  [402]  99.82 42.55 0 bottom
R298  63.4K,1%  [402]  102.23 34.67 180 top
R299  1M,1%  [402]  84.58 99.44 270 bottom
R300  1M,1%  [402]  110.11 20.32 270 bottom
R302  0,1%  [402]  82.04 73.15 270 top
R303  1K,5%  [402]  76.45 76.83 270 bottom
R308  100,5%  [402]  67.31 51.44 270 bottom
R309  100K,1%  [402]  24.89 50.8 270 top
R310  100K,1%,DNI  [402]  26.8 55.24 270 top
R311  DNI,0402  [402]  24.89 48.64 270 top
R312  0,1%  [402]  25.91 55.24 90 top
R313  10K,1%  [402]  27.69 55.24 90 top
R314  27,1%,DNI  [402]  85.63 9.11 180 bottom
R315  27,1%,DNI  [402]  87.6 9.11 0 bottom
R316  0,1%,DNI  [402]  96.39 67.44 180 bottom
R317  0,DNI  [402]  109.73 67.44 180 bottom
R318  1.74K  [402]  66.17 76.83 270 bottom
R319  2K  [402]  66.17 74.93 90 bottom
R320  0,1%,DNI  [402]  95.25 8.51 90 bottom
R321  10K,1%  [402]  56.77 28.07 90 bottom
R322  1.74K  [402]  70.48 78.74 90 bottom
R323  2K  [402]  69.6 78.74 270 bottom
R328  1K,5%  [402]  92.46 34.04 270 bottom
R329  16K  [402]  88.9 35.81 270 top
R330  90.9K,1%  [402]  88.14 35.81 270 top
R331  1M,1%  [402]  106.17 99.44 90 bottom
R332  1M,1%  [402]  26.54 99.44 90 bottom
R333  4.7K  [402]  59.82 53.59 90 bottom
R334  4.7K  [402]  54.61 41.15 180 bottom
R335  10K,1%  [402]  29.72 16.38 0 top
R336  47,1%  [402]  36.18 23.73 270 bottom
R337  47,1%  [402]  36.18 21.88 90 bottom
R338  47,1%  [402]  36.18 18.13 270 bottom
R339  47,1%  [402]  35.38 21.88 90 bottom
R340  47,1%  [402]  39.38 21.88 90 bottom
R341  47,1%  [402]  40.18 27.48 90 bottom
R342  47,1%  [402]  38.58 21.88 90 bottom
R343  47,1%  [402]  39.38 23.73 270 bottom
R344  47,1%  [402]  37.78 27.48 90 bottom
R345  47,1%  [402]  36.98 27.48 90 bottom
